# KiCad board oresat-proto-card.kicad_pcb
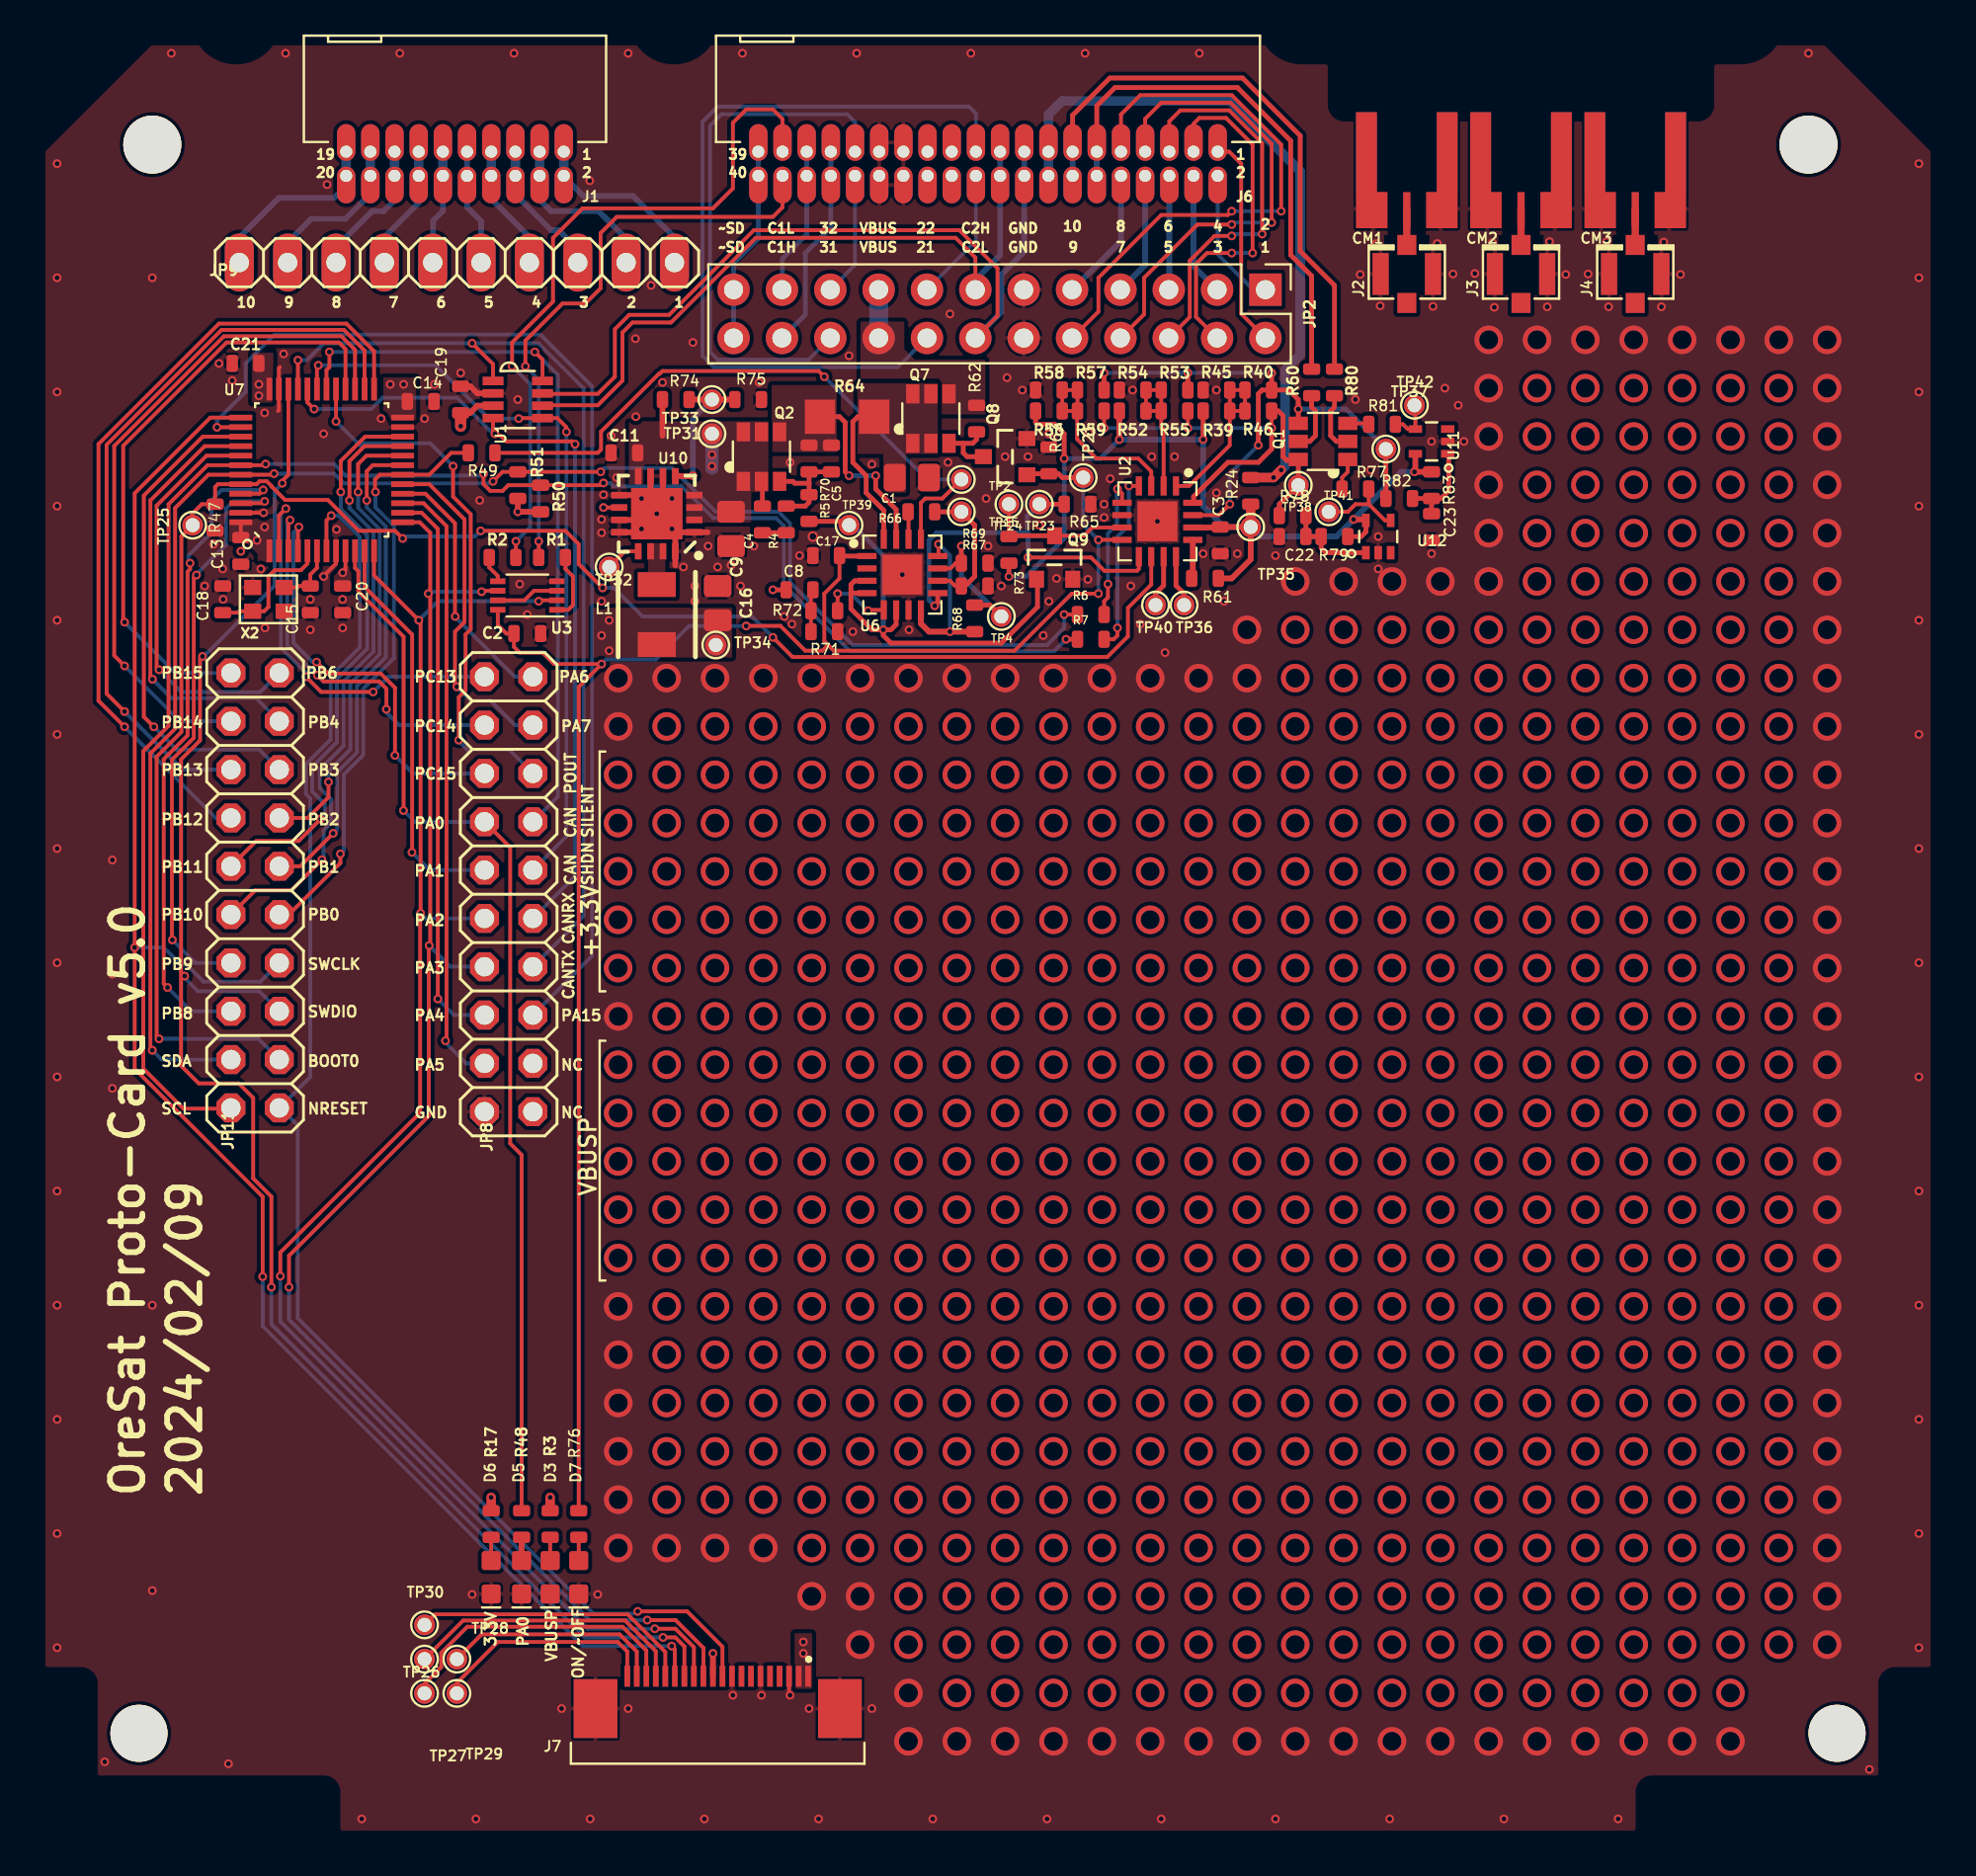
[diagram p0: board, top side]
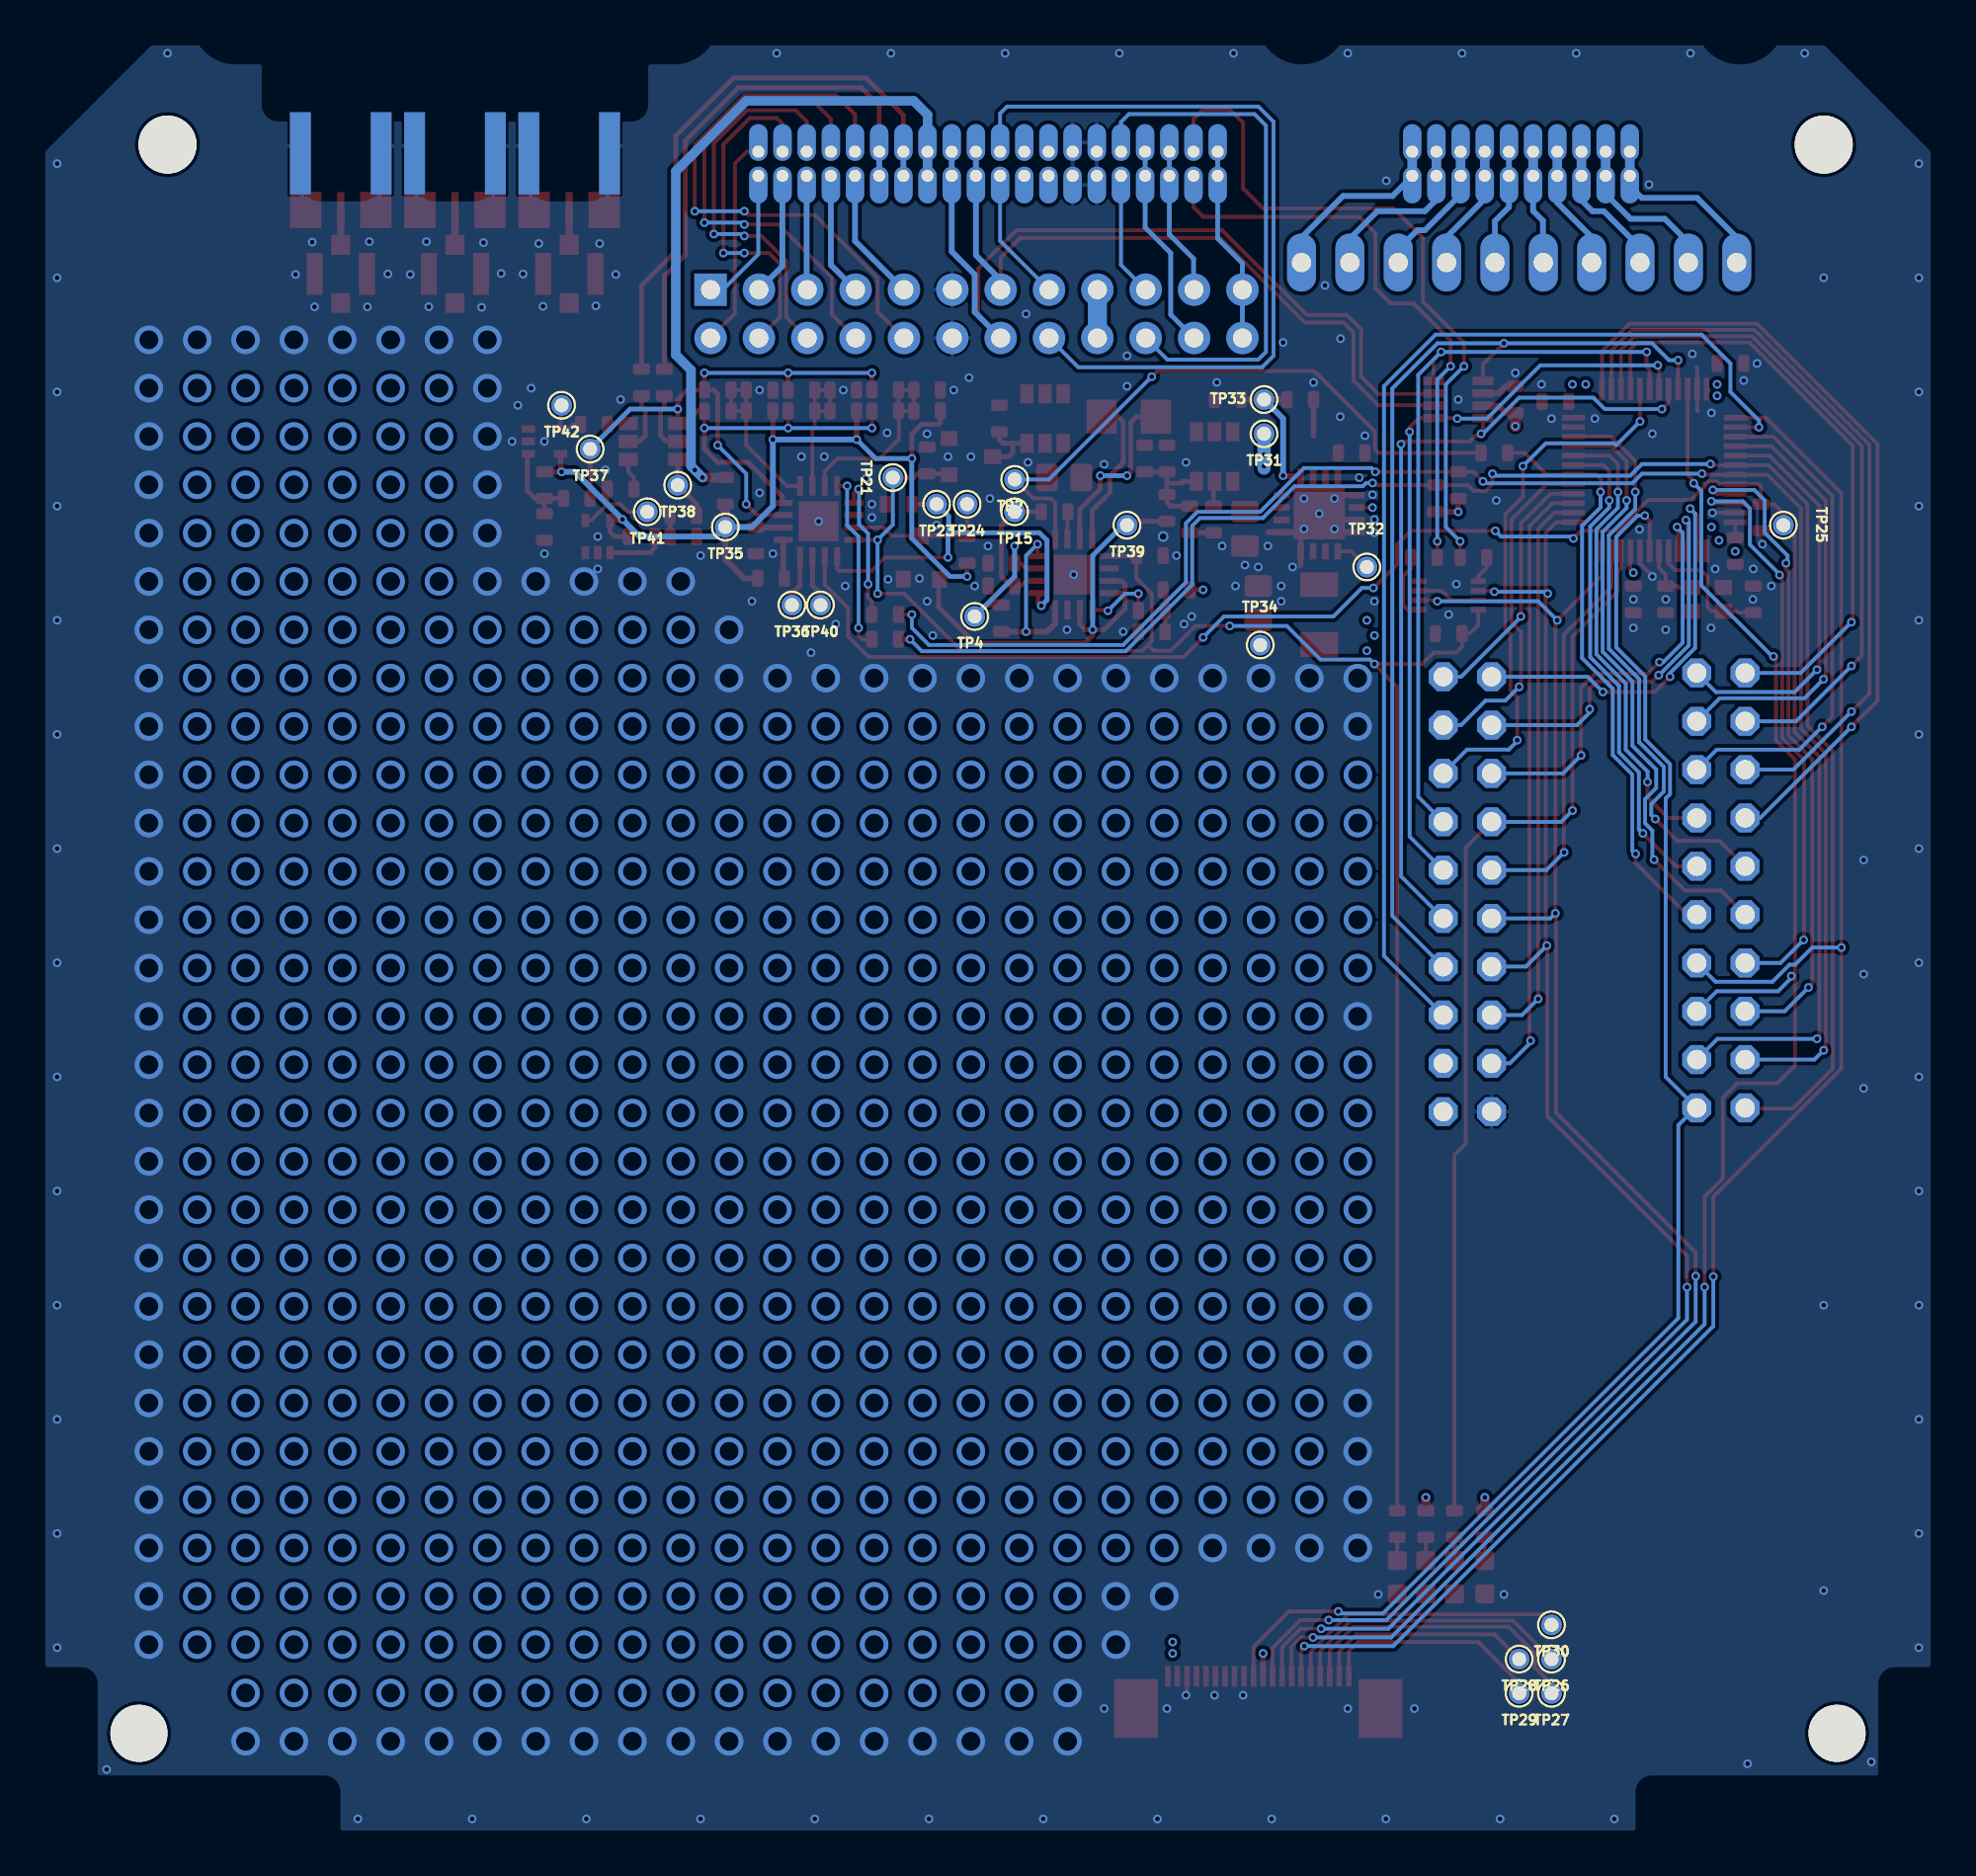
[diagram p1: board, bottom side, seen from below]

Outline 99.8 x 94.6 mm; copper layers: Top, In1.Cu, In2.Cu, Bottom. Coordinates in mm from the lower left corner of the outline.
Stack: Top 0.0423mm / dielectric 0.2021mm FR4 er 4.5 / In1.Cu 0.0175mm / dielectric 1.1938mm FR4 er 4.5 / In2.Cu 0.0175mm / dielectric 0.2021mm FR4 er 4.5 / Bottom 0.0432mm

## Placement (name value [footprint] x y rotation side)
C1  10u  [0805-B-NOSILK]  45.9 71.5 0 top
C2  100n  [0603-C-NOSILK]  25.7 63.3 180 top
C3  100n  [0603-C-NOSILK]  62.1 68.2 90 top
C4  470n  [0603-C-NOSILK]  38.05 69.3 90 top
C5  10n  [0603-C-NOSILK]  41.68 72.5 90 top
C8  1u  [0603-C-NOSILK]  40 65.6 180 top
C9  10u  [0805-B-NOSILK]  36.4 68.8 270 top
C11  1u  [0603-C-NOSILK]  30.8 72.8 180 top
C13  100n  [0603-C-NOSILK]  10.65 67.65 90 top
C14  100n  [0603-C-NOSILK]  20.1 75.5 180 top
C15  20p  [0603-C-NOSILK]  14.3 65.1 270 top
C16  22u  [0805-B-NOSILK]  35.7 64.9 90 top
C17  1u  [0603-C-NOSILK]  41.4 67.4 180 top
C18  20p  [0603-C-NOSILK]  9.7 65.1 90 top
C19  100n  [0603-C-NOSILK]  22.2 75.6 270 top
C20  100n  [0603-C-NOSILK]  16 65.1 90 top
C21  100n  [0603-C-NOSILK]  10.9 77.5 0 top
C22  1u  [0603-C-NOSILK]  65.9 68.4 180 top
C23  1u  [0603-C-NOSILK]  73.2 68.9 270 top
CM1  J-MOLEX-SMPM-73300-003X  [J-MOLEX-SMPM-073300-002X]  71.9 90.7 0 top
CM2  J-MOLEX-SMPM-73300-003X  [J-MOLEX-SMPM-073300-002X]  77.9 90.7 0 top
CM3  J-MOLEX-SMPM-73300-003X  [J-MOLEX-SMPM-073300-002X]  83.9 90.7 0 top
D3  GREEN  [LED-0603]  26.9 13.7 270 top
D5  AMBER  [LED-0603]  25.4 13.7 270 top
D6  GREEN  [LED-0603]  23.8 13.7 270 top
D7  AMBER  [LED-0603]  28.4 13.7 270 top
H2  STAND-OFFTIGHT  [STAND-OFF-TIGHT]  93 89 0 top
H3  STAND-OFFTIGHT  [STAND-OFF-TIGHT]  6 89 0 top
J1  -  [J-SAMTEC-TFM-110-X1-XXX-D-RA]  21.9 87.99 0 top
J2  U.FL  [J-U.FL]  71.9 82.2 90 top
J3  U.FL  [J-U.FL]  77.9 82.2 90 top
J4  U.FL  [J-U.FL]  83.9 82.2 90 top
J6  -  [J-SAMTEC-TFM-120-X1-XXX-D-RA]  49.9 87.99 0 top
J7  ORESAT-DEBUG-CONNECTOR-ALL  [TE_2-1734592-0]  35.7 6.8 180 top
JP2  PINHD-2X5  [PinHeader_2x12_P2.54mm_Vertical]  64.47 81.38 270 top
JP8  PINHD-2X10  [2X10]  24.72 49.6 270 top
JP9  PINHD-1X10  [1X10]  22 82.8 180 top
JP11  PINHD-2X10  [2X10]  11.4 49.8 90 top
L1  6.8u  [ECS-MPI4040]  32.5 64.3 0 top
PCB1  -  [ORESAT-CARD-V1.3-3RF]  49.9 49.8 0 top
Q1  MOSFET-PCH-SOT23-6  [SOT23-6]  67.5 73.4 90 top
Q2  MOSFET-PCH-SOT23-6  [SOT23-6]  38 72.6 0 top
Q7  MOSFET-PCH-SOT23-6  [SOT23-6]  46.9 74.6 0 top
Q8  PMV45EN  [SOT23]  50.8 72.6 90 top
Q9  PMV45EN  [SOT23]  53.4 67.3 0 top
R1  100  [0603-C-NOSILK]  27 67.3 0 top
R2  100  [0603-C-NOSILK]  24.4 67.3 180 top
R3  2.7k  [0603-C-NOSILK]  26.9 16.5 90 top
R4  1k  [0603-C-NOSILK]  39.3 69.3 90 top
R5  10k  [0603-C-NOSILK]  40.5 69.9 90 top
R6  0  [0603-C-NOSILK]  55.3 64.3 0 top
R7  0  [0603-C-NOSILK]  55.3 63 0 top
R17  10k  [0603-C-NOSILK]  23.8 16.5 90 top
R24  10  [0603-C-NOSILK]  63.7 70.8 270 top
R39  NP  [0603-C-NOSILK]  61.9 75 180 top
R40  NP  [0603-C-NOSILK]  64.1 76.1 180 top
R45  NP  [0603-C-NOSILK]  61.9 76.1 0 top
R46  NP  [0603-C-NOSILK]  64.1 75 0 top
R47  10k  [0603-C-NOSILK]  9.3 69.4 90 top
R48  2.7k  [0603-C-NOSILK]  25.4 16.5 90 top
R49  10k  [0603-C-NOSILK]  23.3 72.8 180 top
R50  4.7k  [0603-C-NOSILK]  26.4 70.4 270 top
R51  4.7k  [0603-C-NOSILK]  25.2 71.1 270 top
R52  NP  [0603-C-NOSILK]  57.5 75 180 top
R53  NP  [0603-C-NOSILK]  59.7 76.1 180 top
R54  NP  [0603-C-NOSILK]  57.5 76.1 0 top
R55  NP  [0603-C-NOSILK]  59.7 75 0 top
R56  NP  [0603-C-NOSILK]  53.1 75 180 top
R57  NP  [0603-C-NOSILK]  55.3 76.1 180 top
R58  NP  [0603-C-NOSILK]  53.1 76.1 0 top
R59  NP  [0603-C-NOSILK]  55.3 75 0 top
R60  100  [0603-C-NOSILK]  66.9 76.5 270 top
R61  10k  [0603-C-NOSILK]  61.3 66.2 0 top
R62  10k  [0603-C-NOSILK]  49.3 74.6 90 top
R63  10k  [0603-C-NOSILK]  53.1 72.4 270 top
R64  100m  [R1206]  42.5 74.7 180 top
R65  10k  [0603-C-NOSILK]  54.6 70.1 180 top
R66  0  [0603-C-NOSILK]  46.4 69.7 180 top
R67  NP  [0603-C-NOSILK]  49.2 65.8 180 top
R68  0  [0603-C-NOSILK]  49.2 64.1 270 top
R69  NP  [0603-C-NOSILK]  49.2 67 180 top
R70  10k  [0603-C-NOSILK]  40.5 72.5 90 top
R71  100k  [0603-C-NOSILK]  41.3 63.4 180 top
R72  10K  [0603-C-NOSILK]  41.3 64.5 180 top
R73  10k  [0603-C-NOSILK]  51 67.7 270 top
R74  10k  [0603-C-NOSILK]  33.5 75.6 180 top
R75  NP  [0603-C-NOSILK]  37.3 75.6 180 top
R76  4.7k  [0603-C-NOSILK]  28.4 16.5 90 top
R77  665k  [0603-C-NOSILK]  69.2 70.9 180 top
R78  330k  [0603-C-NOSILK]  65.9 69.5 180 top
R79  1M  [0603-C-NOSILK]  68.1 68.4 0 top
R80  100  [0603-C-NOSILK]  68.1 76.5 270 top
R81  665k  [0603-C-NOSILK]  70.6 74.3 180 top
R82  330k  [0603-C-NOSILK]  71.5 70.4 180 top
R83  1M  [0603-C-NOSILK]  73.2 71.1 90 top
TP2  TEST-POINT-LARGE-SQUARE  [1X01]  48.5 71.4 0 top
TP4  TEST-POINT-LARGE-SQUARE  [1X01]  50.6 64.2 0 top
TP15  TEST-POINT-LARGE-SQUARE  [1X01]  48.5 69.7 0 top
TP21  TEST-POINT-LARGE-SQUARE  [1X01]  54.9 71.5 90 top
TP23  TEST-POINT-LARGE-SQUARE  [1X01]  52.6 70.1 0 top
TP24  TEST-POINT-LARGE-SQUARE  [1X01]  51 70.1 0 top
TP25  TEST-POINT-LARGE-SQUARE  [1X01]  8.12 69 270 top
TP26  TEST-POINT-LARGE-SQUARE  [1X01]  20.3 9.4 0 top
TP27  TEST-POINT-LARGE-SQUARE  [1X01]  20.3 7.6 0 top
TP28  TEST-POINT-LARGE-SQUARE  [1X01]  22 9.4 0 top
TP29  TEST-POINT-LARGE-SQUARE  [1X01]  22 7.6 0 top
TP30  TEST-POINT-LARGE-SQUARE  [1X01]  20.3 11.2 0 top
TP31  TEST-POINT-LARGE-SQUARE  [1X01]  35.4 73.8 0 top
TP32  TEST-POINT-LARGE-SQUARE  [1X01]  30 66.8 180 top
TP33  TEST-POINT-LARGE-SQUARE  [1X01]  35.4 75.6 0 top
TP34  TEST-POINT-LARGE-SQUARE  [1X01]  35.6 62.7 180 top
TP35  TEST-POINT-LARGE-SQUARE  [1X01]  63.7 68.9 0 top
TP36  TEST-POINT-LARGE-SQUARE  [1X01]  60.2 64.8 0 top
TP37  TEST-POINT-LARGE-SQUARE  [1X01]  70.8 73 0 top
TP38  TEST-POINT-LARGE-SQUARE  [1X01]  66.2 71.1 0 top
TP39  TEST-POINT-LARGE-SQUARE  [1X01]  42.6 69 0 top
TP40  TEST-POINT-LARGE-SQUARE  [1X01]  58.7 64.8 0 top
TP41  TEST-POINT-LARGE-SQUARE  [1X01]  67.8 69.7 0 top
TP42  TEST-POINT-LARGE-SQUARE  [1X01]  72.3 75.3 0 top
U1  TCAN330  [SOT23-8_TI-DCN]  25.2 75.6 270 top
U2  MAX7310  [QFN65P400X400X80-17T210]  58.8 69.2 270 top
U3  TS5A21366DCUR  [VSSOP-8_2.3x2mm_P0.5mm]  25.7 65.3 180 top
U6  MAX4211  [QFN65P400X400X80-17T210]  45.4 66.4 0 top
U7  -  [STM32F091C]  14.9 71.9 0 top
U10  TPS62111RSA  [S-PVQFN-16]  32.5 69.6 180 top
U11  MIC842LYC5  [SC70-5]  73.2 73.4 90 top
U12  MIC842LYC5  [SC70-5]  70.4 68.4 0 top
X2  CRYSTAL-WITH-GND  [CRYSTAL_2.5X2]  12.1 65.1 0 top

## Library data of the parts
C1 C9 = -: DIS: Digi-Key; DPN: 1276-6472-1-ND; MFR: Samsung; MPN: CL21B106KOQNNNG
C3 = -: DIS: Digi-Key; DPN: 399-14941-1-ND; MFR: Kemet; MPN: C0603C104K4PAC7867
C11 C17 C22 C23 = -: DIS: Digi-Key; DPN: 311-1444-1-ND; MFR: Yageo; MPN: CC0603KRX5R7BB105
C13 C14 C19-C21 = -: DIS: Digi-Key; DPN: 1276-1001-1-ND; MFR: Samsung; MPN: CL05B104KO5NNNC
C15 C18 = -: DIS: Digi-Key; DPN: 1276-6601-1-ND; MFR: Samsung; MPN: CL05C200JB51PNC
C16 = -: DIS: Digi-Key; DPN: 490-9959-1-ND; MFR: Murata; MPN: GRM21BD71A226ME44L
CM1-CM3 = -: Description: SMPM Connector Plug, Male Pin 50Ohm Board Edge, Cutout; Surface Mount Solder; DIS: Digi-Key; DPN: WM10772-ND; MFR: Molex; MPN: 73300-0020
D3 D6 = -: DIS: Digi-Key; DPN: 511-1584-1-ND; MFR: Rohm; MPN: SML-E12M8WT86
D5 D7 = -: DIS: Digi-Key; DPN: 1830-1064-1-ND; MFR: Inolux; MPN: IN-S63AT5A
J1 = -: DIS: Digikey; DPN: SAM10113-ND; MFR: Samtec; MPN: TFM-110-01-L-D-RA
J2-J4 = -: DIS: Digi-Key; DPN: A118077CT-ND; MFR: TE Connectivity; MPN: 1909763-1
J6 = -: Description: OreSat backplane connector, 2x20 RA; DIS: Digi-Key; DPN: SAM10145-ND; MFR: Samtec; MPN: TFM-120-01-L-D-RA
JP2 = -: Description: Generic connector, double row, 02x12, odd/even pin numbering scheme (row 1 odd numbers, row 2 even numbers), script generated (kicad-library-utils/schlib/autogen/connector/); DIS: Digi-Key; DPN: 609-3243-ND; MFR: Amphenol; MPN: 67997-410HLF
JP8 JP11 = -: DIS: Digi-Key; DNP: 609-3221-ND; MFR: Amphenol; MPN: 67996-420HLF
JP9 = -: DIS: Digi-Key; DPN: 732-5329-ND; MFR: Wurth; MPN: 61302011121
L1 = -: DIS: Digi-Key; DPN: XC2337CT-ND; MFR: ECS; MPN: ECS-MPI4040R4-6R8-R
Q1 = -: DIS: Digi-Key; DPN: DMP2240UDMDICT-ND; MFR: Diodes Inc; MPN: DMP2240UDM
Q2 Q7 = -: DIS: Digi-Key; DPN: DMP3050LVT-7DICT-ND; MFR: Diodes Inc; MPN: DMP3050LVT-7
Q8 Q9 = -: DIS: Digi-Key; DPN: 1727-2307-1-ND; MFR: Nexperia; MPN: PMV45EN2R
R3 R17 R76 = -: DIS: Digi-Key; DPN: P2.7KDBCT-ND; MFR: Panasonic; MPN: ERA-3AEB272V
R6 R7 R66 R68 = -: DIS: Digi-Key; DPN: 311-0.0GRCT-ND; MFR: Yageo; MPN: RC0603JR-070RL
R24 = -: DIS: Digi-Key; DPN: 311-10.0HRCT-ND; MFR: Yageo; MPN: RC0603FR-0710RL
R39 R40 R45 R46 R52-R59 R67 R69 R71 R72 R75 = -: DIS: Digi-Key; DPN: 1276-4275-1-ND; MFR: Samsung; MPN: RC1005F6653CS
R47 R49 = -: DIS: Digi-Key; DPN: 311-10.0KLRCT-ND; MFR: Yageo; MPN: RC0402FR-0710KL
R48 R50 R51 = -: DIS: Digi-Key; DPN: A129632CT-ND; MFR: TE Connectivity; MPN: CRGCQ0402F2K7
R60 R80 = -: DIS: Digi-Key; DPN: 311-100HRCT-ND; MFR: Yageo; MPN: RC0603FR-07100RL
R61-R63 R65 R70 R73 R74 R77 R81 = -: DIS: Digi-Key; DPN: RNCP0603FTD10K0CT-ND; MFR: Stackpole; MPN: RNCP0603FTD10K0
R64 = -: DIS: Digi-Key; DPN: CSR1206FTR100CT-ND; MFR: Stackpole; MPN: CSR1206FTR100
R78 R82 = -: DIS: Digi-Key; DPN: A129718CT-ND; MFR: TE Connectivity; MPN: CRGCQ0603F330K
R79 R83 = -: DIS: Digi-Key; DPN: 311-1.00MHRCT-ND; MFR: Yageo; MPN: RC0603FR-071ML
U1 = -: DIS: Digi-Key; DPN: 296-44211-1-ND; MFR: Texas Instruments; MPN: TCAN330GDCNT
U2 = -: DIS: Digi-Key; DPN: MAX7310ATE+-ND; MFR: Maxim; MPN: MAX7310ATE
U6 = -: DIS: Digi-Key; DPN: MAX4211FETE+-ND; MFR: Maxim; MPN: MAX4211FETE
U7 = -: DIS: Digi-Key; DPN: 497-18516-ND; MFR: STMicroelectronics; MPN: STM32F042K6T7
U10 = -: DIS: Digi-Key; DPN: 296-37681-2-ND; MFR: Texas Instruments
X2 = -: DIS: Digi-Key; DPN: XC2181CT-ND; MFR: ECS Inc.; MPN: ECS-160-10-36Q-ES-TR

## Footprints (pads in the part's own frame, mm; a bottom-side part is the same pattern mirrored in y, then rotated)
1X01
  round 1.1 hole 0.737: 1(0,0)
1X10
  oval 1.524x3.048 hole 1.016: 1(-11.43,0) 2(-8.89,0) 3(-6.35,0) 4(-3.81,0) 5(-1.27,0) 6(1.27,0) 7(3.81,0) 8(6.35,0) 9(8.89,0) 10(11.43,0)
2X10
  rrect 1.524x1.524 hole 1.016: 1(-11.43,-1.27) 2(-11.43,1.27) 3(-8.89,-1.27) 4(-8.89,1.27) 5(-6.35,-1.27) 6(-6.35,1.27) 7(-3.81,-1.27) 8(-3.81,1.27) 9(-1.27,-1.27) 10(-1.27,1.27) 11(1.27,-1.27) 12(1.27,1.27) 13(3.81,-1.27) 14(3.81,1.27) 15(6.35,-1.27) 16(6.35,1.27) 17(8.89,-1.27) 18(8.89,1.27) 19(11.43,-1.27) 20(11.43,1.27)
0603-C-NOSILK
  rrect 0.6x0.9 smd: 1(-0.7,0) 2(0.7,0)
0805-B-NOSILK
  rrect 1.15x1.45 smd: 1(-0.9,0) 2(0.9,0)
CRYSTAL_2.5X2
  rect 0.9x0.8 smd: 1(-0.825,-0.625) 2(0.825,-0.625) 3(0.825,0.625) 4(-0.825,0.625)
ECS-MPI4040
  rect 2x1.3 smd: 1(0,1.575) 2(0,-1.575)
J-MOLEX-SMPM-073300-002X
  custom 1.092x4.318 smd far side: SHLD(-2.032,-1.778) SHLD(2.032,-1.778)
  custom 1.651x6.096 smd: SHLD(-1.778,-5.08) SHLD(1.778,-5.08)
  rect 0.38x1.8 smd: SIG(0,-5.1)
J-SAMTEC-TFM-110-X1-XXX-D-RA
  oval 0.965x1.93 hole 0.635: 1(5.715,0.635) 2(5.715,-0.635) 3(4.445,0.635) 4(4.445,-0.635) 5(3.175,0.635) 6(3.175,-0.635) 7(1.905,0.635) 8(1.905,-0.635) 9(0.635,0.635) 10(0.635,-0.635) 11(-0.635,0.635) 12(-0.635,-0.635) 13(-1.905,0.635) 14(-1.905,-0.635) 15(-3.175,0.635) 16(-3.175,-0.635) 17(-4.445,0.635) 18(-4.445,-0.635) 19(-5.715,0.635) 20(-5.715,-0.635)
J-SAMTEC-TFM-120-X1-XXX-D-RA
  oval 0.965x1.93 hole 0.635: 1(12.065,0.635) 2(12.065,-0.635) 3(10.795,0.635) 4(10.795,-0.635) 5(9.525,0.635) 6(9.525,-0.635) 7(8.255,0.635) 8(8.255,-0.635) 9(6.985,0.635) 10(6.985,-0.635) 11(5.715,0.635) 12(5.715,-0.635) 13(4.445,0.635) 14(4.445,-0.635) 15(3.175,0.635) 16(3.175,-0.635) 17(1.905,0.635) 18(1.905,-0.635) 19(0.635,0.635) 20(0.635,-0.635) 21(-0.635,0.635) 22(-0.635,-0.635) 23(-1.905,0.635) 24(-1.905,-0.635) 25(-3.175,0.635) 26(-3.175,-0.635) 27(-4.445,0.635) 28(-4.445,-0.635) 29(-5.715,0.635) 30(-5.715,-0.635) 31(-6.985,0.635) 32(-6.985,-0.635) 33(-8.255,0.635) 34(-8.255,-0.635) 35(-9.525,0.635) 36(-9.525,-0.635) 37(-10.795,0.635) 38(-10.795,-0.635) 39(-12.065,0.635) 40(-12.065,-0.635)
J-U.FL
  rect 1.05x1 smd: FEED(2.025,0) NC(-1.525,0)
  rect 2.2x0.85 smd: GND(0,1.375) GND(0,-1.375)
LED-0603
  rrect 1x1 smd: A(-0.877,0) C(0.877,0)
ORESAT-CARD-V1.3-3RF
  round 3 hole 3 unplated: (-44.6,-44.3) (44.6,-44.3)
PinHeader_2x12_P2.54mm_Vertical
  rect 1.7x1.7 hole 1: 1(0,0)
  oval 1.7x1.7 hole 1: 2(2.54,0) 3(0,-2.54) 4(2.54,-2.54) 5(0,-5.08) 6(2.54,-5.08) 7(0,-7.62) 8(2.54,-7.62) 9(0,-10.16) 10(2.54,-10.16) 11(0,-12.7) 12(2.54,-12.7) 13(0,-15.24) 14(2.54,-15.24) 15(0,-17.78) 16(2.54,-17.78) 17(0,-20.32) 18(2.54,-20.32) 19(0,-22.86) 20(2.54,-22.86) 21(0,-25.4) 22(2.54,-25.4) 23(0,-27.94) 24(2.54,-27.94)
QFN65P400X400X80-17T210
  rect 1.01x0.32 smd: 1(-1.86,0.975) 2(-1.86,0.325) 3(-1.86,-0.325) 4(-1.86,-0.975) 9(1.86,-0.975) 10(1.86,-0.325) 11(1.86,0.325) 12(1.86,0.975)
  rect 0.32x1.01 smd: 5(-0.975,-1.86) 6(-0.325,-1.86) 7(0.325,-1.86) 8(0.975,-1.86) 13(0.975,1.86) 14(0.325,1.86) 15(-0.325,1.86) 16(-0.975,1.86)
  rect 2.1x2.1 smd: EPAD(0,0)
R1206
  rect 1.6x1.803 smd: 1(-1.422,0) 2(1.422,0)
S-PVQFN-16
  rect 0.85x0.35 smd: 1(-1.975,0.975) 2(-1.975,0.325) 3(-1.975,-0.325) 4(-1.975,-0.975) 9(1.975,-0.975) 10(1.975,-0.325) 11(1.975,0.325) 12(1.975,0.975)
  rect 0.35x0.85 smd: 5(-0.975,-1.975) 6(-0.325,-1.975) 7(0.325,-1.975) 8(0.975,-1.975) 13(0.975,1.975) 14(0.325,1.975) 15(-0.325,1.975) 16(-0.975,1.975)
  rect 2.7x2.7 smd: PAD(0,0)
SC70-5
  rect 0.4x0.7 smd: 1(-0.65,-0.85) 2(0,-0.85) 3(0.65,-0.85) 4(0.65,0.85) 5(-0.65,0.85)
SOT23
  rect 0.787x0.889 smd: 1(-0.953,-1.143) 2(0.953,-1.143) 3(0,1.143)
SOT23-6
  rect 0.7x1 smd: 1(-0.95,-1.3) 2(0,-1.3) 3(0.95,-1.3) 4(0.95,1.3) 5(0,1.3) 6(-0.95,1.3)
SOT23-8_TI-DCN
  rect 0.45x1.1 smd: 1(-0.975,-1.3) 2(-0.325,-1.3) 3(0.325,-1.3) 4(0.975,-1.3) 5(0.975,1.3) 6(0.325,1.3) 7(-0.325,1.3) 8(-0.975,1.3)
STAND-OFF-TIGHT
  round 3.048 hole 3.048 unplated: (0,0)
STM32F091C
  rect 0.3x1.2 smd: 1(-2.75,-4.25) 2(-2.25,-4.25) 3(-1.75,-4.25) 4(-1.25,-4.25) 5(-0.75,-4.25) 6(-0.25,-4.25) 7(0.25,-4.25) 8(0.75,-4.25) 9(1.25,-4.25) 10(1.75,-4.25) 11(2.25,-4.25) 12(2.75,-4.25) 25(2.75,4.25) 26(2.25,4.25) 27(1.75,4.25) 28(1.25,4.25) 29(0.75,4.25) 30(0.25,4.25) 31(-0.25,4.25) 32(-0.75,4.25) 33(-1.25,4.25) 34(-1.75,4.25) 35(-2.25,4.25) 36(-2.75,4.25)
  rect 1.2x0.3 smd: 13(4.25,-2.75) 14(4.25,-2.25) 15(4.25,-1.75) 16(4.25,-1.25) 17(4.25,-0.75) 18(4.25,-0.25) 19(4.25,0.25) 20(4.25,0.75) 21(4.25,1.25) 22(4.25,1.75) 23(4.25,2.25) 24(4.25,2.75) 37(-4.25,2.75) 38(-4.25,2.25) 39(-4.25,1.75) 40(-4.25,1.25) 41(-4.25,0.75) 42(-4.25,0.25) 43(-4.25,-0.25) 44(-4.25,-0.75) 45(-4.25,-1.25) 46(-4.25,-1.75) 47(-4.25,-2.25) 48(-4.25,-2.75)
TE_2-1734592-0
  rect 0.3x1.1 smd: 1(-4.75,-1.7) 2(-4.25,-1.7) 3(-3.75,-1.7) 4(-3.25,-1.7) 5(-2.75,-1.7) 6(-2.25,-1.7) 7(-1.75,-1.7) 8(-1.25,-1.7) 9(-0.75,-1.7) 10(-0.25,-1.7) 11(0.25,-1.7) 12(0.75,-1.7) 13(1.25,-1.7) 14(1.75,-1.7) 15(2.25,-1.7) 16(2.75,-1.7) 17(3.25,-1.7) 18(3.75,-1.7) 19(4.25,-1.7) 20(4.75,-1.7)
  rect 2.3x3.1 smd: PAD1(6.42,0) PAD2(-6.42,0)
VSSOP-8_2.3x2mm_P0.5mm
  rect 0.8x0.3 smd: 1(-1.55,0.75) 2(-1.55,0.25) 3(-1.55,-0.25) 4(-1.55,-0.75) 5(1.55,-0.75) 6(1.55,-0.25) 7(1.55,0.25) 8(1.55,0.75)

## Nets
3.3V: C13.2 C14.2 C16.1 C19.2 C20.2 C21.2 J7.11 L1.2 R17.2 R50.2 R51.2 TP34.1 U1.3 U7.1 U7.9 U7.24 U7.36 U7.48 U10.10
GND: C1.2 C2.1 C3.1 C9.2 C11.2 C13.1 C14.1 C15.2 C16.2 C17.2 C18.2 C19.1 C20.1 C21.1 C22.2 C23.2 CM1.SHLD CM2.SHLD CM3.SHLD D3.C D5.C D6.C D7.C J2.GND J3.GND J4.GND J6.27 J6.28 J6.29 J6.30 J7.3 J7.6 J7.9 J7.PAD1 J7.PAD2 JP2.11 JP2.12 JP8.19 Q8.2 Q9.2 R45.1 R47.1 R54.1 R58.1 R63.1 R65.1 R67.1 R69.1 R71.1 R75.1 U1.2 U2.6 U2.EPAD U3.4 U6.7 U6.EPAD U7.8 U7.23 U7.35 U7.47 U10.1 U10.6 U10.7 U10.9 U10.11 U10.12 U10.16 U10.PAD U11.2 U12.2 X2.2 X2.4
VBUS: J6.23 J6.24 J6.25 J6.26 JP2.17 JP2.18 Q7.4 R62.2
VBUSP: C4.2 C8.2 C9.1 C11.1 J7.1 J7.2 Q2.1 Q2.2 Q2.5 Q2.6 R3.2 R74.2 TP31.1 U10.2 U10.3 U10.4 U10.8
/Connectors/AUX-1: J1.1 J1.2 JP9.1
/Connectors/AUX-2: J1.3 J1.4 JP9.2
/Connectors/AUX-3: J1.5 J1.6 JP9.3
/Connectors/AUX-4: J1.7 J1.8 JP9.4
/Connectors/AUX-5: J1.9 J1.10 JP9.5
/Connectors/AUX-6: J1.11 J1.12 JP9.6
/Connectors/AUX-7: J1.13 J1.14 JP9.7
/Connectors/AUX-8: J1.15 J1.16 JP9.8
/Connectors/AUX-9: J1.17 J1.18 JP9.9
/Connectors/AUX_~{SHUTDOWN}: J1.19 J1.20 JP9.10
/Connectors/CAN1_H: J6.33 J6.34 JP2.22
/Connectors/CAN1_L: J6.35 J6.36 JP2.21
/Connectors/SPARE1: J6.1 JP2.2
/Connectors/SPARE2: J6.2 JP2.1
/Connectors/SPARE3: J6.3 JP2.4
/Connectors/SPARE4: J6.4 JP2.3
/Connectors/SPARE5: J6.5 JP2.6
/Connectors/SPARE6: J6.6 JP2.5
/Connectors/SPARE7: J6.7 JP2.8
/Connectors/SPARE8: J6.8 JP2.7
/Connectors/SPARE9: J6.9 JP2.10
/Connectors/SPARE10: J6.10 JP2.9
/Connectors/SPARE21: J6.21 JP2.16
/Connectors/SPARE22: J6.22 JP2.15
/Connectors/SPARE31: J6.31 JP2.20
/Connectors/SPARE32: J6.32 JP2.19
/Connectors/~{SD}: J6.39 J6.40 JP2.23 JP2.24
/Microcontroller/CAN_RX: JP8.12 U1.4 U7.32
/Microcontroller/CAN_SHDN: JP8.10 U1.5 U7.31
/Microcontroller/CAN_TX: JP8.14 U1.1 U7.33
/Microcontroller/NRESET: J7.10 JP11.1 U7.7
/Microcontroller/PA0: JP8.7 R48.2 U7.10
/Microcontroller/PA1: JP8.9 U7.11
/Microcontroller/PA4: JP8.15 U7.14
/Microcontroller/PA5/SPI1_SCK: JP8.17 U7.15
/Microcontroller/PA6/SPI1_MISO: JP8.2 U7.16
/Microcontroller/PA7/SPI1_MOSI: JP8.4 U7.17
/Microcontroller/PA8: JP8.6 U7.29
/Microcontroller/PA9/CAN_SILENT: JP8.8 U1.8 U7.30
/Microcontroller/PA15: JP8.16 U7.38
/Microcontroller/PB0/POUTPROT: JP11.9 R49.2 U7.18
/Microcontroller/PB1: JP11.11 U7.19
/Microcontroller/PB2: JP11.13 U7.20
/Microcontroller/PB3: JP11.15 U7.39
/Microcontroller/PB4: JP11.17 U7.40
/Microcontroller/PB5: JP11.19 U7.41
/Microcontroller/PB8: JP11.6 U7.45
/Microcontroller/PB9: JP11.8 U7.46
/Microcontroller/PB10: JP11.10 U7.21
/Microcontroller/PB11: JP11.12 U7.22
/Microcontroller/PB12: JP11.14 U7.25
/Microcontroller/PB13: JP11.16 U7.26
/Microcontroller/PB14: JP11.18 U7.27
/Microcontroller/PB15: JP11.20 U7.28
/Microcontroller/PC13: JP8.1 U7.2
/Microcontroller/PC14: JP8.3 U7.3
/Microcontroller/PC15: JP8.5 U7.4
/Microcontroller/SWCLK: J7.15 JP11.7 U7.37
/Microcontroller/SWDIO: J7.14 JP11.5 U7.34
/Power/AD0: R39.1 R40.2 R45.2 R46.1 U2.1
/Power/AD1: R52.1 R53.2 R54.2 R55.1 U2.2
/Power/AD2: R56.1 R57.2 R58.2 R59.1 U2.3
/Power/CB-RESET: R65.2 TP23.1 U2.9 U6.9
/Power/CB_CTRL: Q9.1 R5.1 TP39.1 U6.3 U6.4 U6.6
/Power/ON/~{OFF}: C2.2 C17.1 Q8.1 R63.2 R76.2 TP21.1 U2.8 U3.8 U6.1
/Power/PEN-SCL-FILT: Q1.4 R40.1 R53.1 R57.1 R82.2 TP37.1 U2.15
/Power/PEN-SDA-FILT: Q1.6 R46.2 R55.2 R59.2 R78.2 TP38.1 U2.16
/Power/~{FAULT}: Q9.3 R73.1 TP24.1 U2.7
BOOT0: JP11.3 R47.2 TP25.1 U2.10 U7.44
C3-UART-RX: J6.38 R1.1
C3-UART-TX: J6.37 R2.1
CAN2_H: J6.17 J6.18 JP2.14 U1.7
CAN2_L: J6.19 J6.20 JP2.13 U1.6
OPD_PWR: J6.15 J6.16 R24.1